# Allegro board LED_FIN.brd (continued)
## Nets (continued)
COL_OUT_C74: D10276.1(CATHODE) D10306.1(CATHODE) D10336.1(CATHODE) D10366.1(CATHODE) D10396.1(CATHODE) D10426.1(CATHODE) D10456.1(CATHODE) D10486.1(CATHODE) D10516.1(CATHODE) D10546.1(CATHODE) D10576.1(CATHODE) D10606.1(CATHODE) D10636.1(CATHODE) D10666.1(CATHODE) D10696.1(CATHODE) D10726.1(CATHODE) D10756.1(CATHODE) D10786.1(CATHODE) D10816.1(CATHODE) D10846.1(CATHODE) D10876.1(CATHODE) D10906.1(CATHODE) D10936.1(CATHODE) D10966.1(CATHODE) D10996.1(CATHODE) D11026.1(CATHODE) D11056.1(CATHODE) D11086.1(CATHODE) D11116.1(CATHODE) D11146.1(CATHODE) D11176.1(CATHODE) D11206.1(CATHODE) D11236.1(CATHODE) D11266.1(CATHODE) D11296.1(CATHODE) D11326.1(CATHODE) D11356.1(CATHODE) D11386.1(CATHODE) R286.1
COL_OUT_C75: D10275.1(CATHODE) D10305.1(CATHODE) D10335.1(CATHODE) D10365.1(CATHODE) D10395.1(CATHODE) D10425.1(CATHODE) D10455.1(CATHODE) D10485.1(CATHODE) D10515.1(CATHODE) D10545.1(CATHODE) D10575.1(CATHODE) D10605.1(CATHODE) D10635.1(CATHODE) D10665.1(CATHODE) D10695.1(CATHODE) D10725.1(CATHODE) D10755.1(CATHODE) D10785.1(CATHODE) D10815.1(CATHODE) D10845.1(CATHODE) D10875.1(CATHODE) D10905.1(CATHODE) D10935.1(CATHODE) D10965.1(CATHODE) D10995.1(CATHODE) D11025.1(CATHODE) D11055.1(CATHODE) D11085.1(CATHODE) D11115.1(CATHODE) D11145.1(CATHODE) D11175.1(CATHODE) D11205.1(CATHODE) D11235.1(CATHODE) D11265.1(CATHODE) D11295.1(CATHODE) D11325.1(CATHODE) D11355.1(CATHODE) D11385.1(CATHODE) R285.1
COL_OUT_C76: D10274.1(CATHODE) D10304.1(CATHODE) D10334.1(CATHODE) D10364.1(CATHODE) D10394.1(CATHODE) D10424.1(CATHODE) D10454.1(CATHODE) D10484.1(CATHODE) D10514.1(CATHODE) D10544.1(CATHODE) D10574.1(CATHODE) D10604.1(CATHODE) D10634.1(CATHODE) D10664.1(CATHODE) D10694.1(CATHODE) D10724.1(CATHODE) D10754.1(CATHODE) D10784.1(CATHODE) D10814.1(CATHODE) D10844.1(CATHODE) D10874.1(CATHODE) D10904.1(CATHODE) D10934.1(CATHODE) D10964.1(CATHODE) D10994.1(CATHODE) D11024.1(CATHODE) D11054.1(CATHODE) D11084.1(CATHODE) D11114.1(CATHODE) D11144.1(CATHODE) D11174.1(CATHODE) D11204.1(CATHODE) D11234.1(CATHODE) D11264.1(CATHODE) D11294.1(CATHODE) D11324.1(CATHODE) D11354.1(CATHODE) D11384.1(CATHODE) R284.1
COL_OUT_C77: D10273.1(CATHODE) D10303.1(CATHODE) D10333.1(CATHODE) D10363.1(CATHODE) D10393.1(CATHODE) D10423.1(CATHODE) D10453.1(CATHODE) D10483.1(CATHODE) D10513.1(CATHODE) D10543.1(CATHODE) D10573.1(CATHODE) D10603.1(CATHODE) D10633.1(CATHODE) D10663.1(CATHODE) D10693.1(CATHODE) D10723.1(CATHODE) D10753.1(CATHODE) D10783.1(CATHODE) D10813.1(CATHODE) D10843.1(CATHODE) D10873.1(CATHODE) D10903.1(CATHODE) D10933.1(CATHODE) D10963.1(CATHODE) D10993.1(CATHODE) D11023.1(CATHODE) D11053.1(CATHODE) D11083.1(CATHODE) D11113.1(CATHODE) D11143.1(CATHODE) D11173.1(CATHODE) D11203.1(CATHODE) D11233.1(CATHODE) D11263.1(CATHODE) D11293.1(CATHODE) D11323.1(CATHODE) D11353.1(CATHODE) D11383.1(CATHODE) R283.1
COL_OUT_C78: D10272.1(CATHODE) D10302.1(CATHODE) D10332.1(CATHODE) D10362.1(CATHODE) D10392.1(CATHODE) D10422.1(CATHODE) D10452.1(CATHODE) D10482.1(CATHODE) D10512.1(CATHODE) D10542.1(CATHODE) D10572.1(CATHODE) D10602.1(CATHODE) D10632.1(CATHODE) D10662.1(CATHODE) D10692.1(CATHODE) D10722.1(CATHODE) D10752.1(CATHODE) D10782.1(CATHODE) D10812.1(CATHODE) D10842.1(CATHODE) D10872.1(CATHODE) D10902.1(CATHODE) D10932.1(CATHODE) D10962.1(CATHODE) D10992.1(CATHODE) D11022.1(CATHODE) D11052.1(CATHODE) D11082.1(CATHODE) D11112.1(CATHODE) D11142.1(CATHODE) D11172.1(CATHODE) D11202.1(CATHODE) D11232.1(CATHODE) D11262.1(CATHODE) D11292.1(CATHODE) D11322.1(CATHODE) D11352.1(CATHODE) D11382.1(CATHODE) R282.1
COL_OUT_C79: D10271.1(CATHODE) D10301.1(CATHODE) D10331.1(CATHODE) D10361.1(CATHODE) D10391.1(CATHODE) D10421.1(CATHODE) D10451.1(CATHODE) D10481.1(CATHODE) D10511.1(CATHODE) D10541.1(CATHODE) D10571.1(CATHODE) D10601.1(CATHODE) D10631.1(CATHODE) D10661.1(CATHODE) D10691.1(CATHODE) D10721.1(CATHODE) D10751.1(CATHODE) D10781.1(CATHODE) D10811.1(CATHODE) D10841.1(CATHODE) D10871.1(CATHODE) D10901.1(CATHODE) D10931.1(CATHODE) D10961.1(CATHODE) D10991.1(CATHODE) D11021.1(CATHODE) D11051.1(CATHODE) D11081.1(CATHODE) D11111.1(CATHODE) D11141.1(CATHODE) D11171.1(CATHODE) D11201.1(CATHODE) D11231.1(CATHODE) D11261.1(CATHODE) D11291.1(CATHODE) D11321.1(CATHODE) D11351.1(CATHODE) D11381.1(CATHODE) R281.1
COL_OUT_C80: D10270.1(CATHODE) D10300.1(CATHODE) D10330.1(CATHODE) D10360.1(CATHODE) D10390.1(CATHODE) D10420.1(CATHODE) D10450.1(CATHODE) D10480.1(CATHODE) D10510.1(CATHODE) D10540.1(CATHODE) D10570.1(CATHODE) D10600.1(CATHODE) D10630.1(CATHODE) D10660.1(CATHODE) D10690.1(CATHODE) D10720.1(CATHODE) D10750.1(CATHODE) D10780.1(CATHODE) D10810.1(CATHODE) D10840.1(CATHODE) D10870.1(CATHODE) D10900.1(CATHODE) D10930.1(CATHODE) D10960.1(CATHODE) D10990.1(CATHODE) D11020.1(CATHODE) D11050.1(CATHODE) D11080.1(CATHODE) D11110.1(CATHODE) D11140.1(CATHODE) D11170.1(CATHODE) D11200.1(CATHODE) D11230.1(CATHODE) D11260.1(CATHODE) D11290.1(CATHODE) D11320.1(CATHODE) D11350.1(CATHODE) D11380.1(CATHODE) R280.1
COL_OUT_C81: D10269.1(CATHODE) D10299.1(CATHODE) D10329.1(CATHODE) D10359.1(CATHODE) D10389.1(CATHODE) D10419.1(CATHODE) D10449.1(CATHODE) D10479.1(CATHODE) D10509.1(CATHODE) D10539.1(CATHODE) D10569.1(CATHODE) D10599.1(CATHODE) D10629.1(CATHODE) D10659.1(CATHODE) D10689.1(CATHODE) D10719.1(CATHODE) D10749.1(CATHODE) D10779.1(CATHODE) D10809.1(CATHODE) D10839.1(CATHODE) D10869.1(CATHODE) D10899.1(CATHODE) D10929.1(CATHODE) D10959.1(CATHODE) D10989.1(CATHODE) D11019.1(CATHODE) D11049.1(CATHODE) D11079.1(CATHODE) D11109.1(CATHODE) D11139.1(CATHODE) D11169.1(CATHODE) D11199.1(CATHODE) D11229.1(CATHODE) D11259.1(CATHODE) D11289.1(CATHODE) D11319.1(CATHODE) D11349.1(CATHODE) D11379.1(CATHODE) R279.1
COL_OUT_C82: D10268.1(CATHODE) D10298.1(CATHODE) D10328.1(CATHODE) D10358.1(CATHODE) D10388.1(CATHODE) D10418.1(CATHODE) D10448.1(CATHODE) D10478.1(CATHODE) D10508.1(CATHODE) D10538.1(CATHODE) D10568.1(CATHODE) D10598.1(CATHODE) D10628.1(CATHODE) D10658.1(CATHODE) D10688.1(CATHODE) D10718.1(CATHODE) D10748.1(CATHODE) D10778.1(CATHODE) D10808.1(CATHODE) D10838.1(CATHODE) D10868.1(CATHODE) D10898.1(CATHODE) D10928.1(CATHODE) D10958.1(CATHODE) D10988.1(CATHODE) D11018.1(CATHODE) D11048.1(CATHODE) D11078.1(CATHODE) D11108.1(CATHODE) D11138.1(CATHODE) D11168.1(CATHODE) D11198.1(CATHODE) D11228.1(CATHODE) D11258.1(CATHODE) D11288.1(CATHODE) D11318.1(CATHODE) D11348.1(CATHODE) D11378.1(CATHODE) R278.1
COL_OUT_C83: D10267.1(CATHODE) D10297.1(CATHODE) D10327.1(CATHODE) D10357.1(CATHODE) D10387.1(CATHODE) D10417.1(CATHODE) D10447.1(CATHODE) D10477.1(CATHODE) D10507.1(CATHODE) D10537.1(CATHODE) D10567.1(CATHODE) D10597.1(CATHODE) D10627.1(CATHODE) D10657.1(CATHODE) D10687.1(CATHODE) D10717.1(CATHODE) D10747.1(CATHODE) D10777.1(CATHODE) D10807.1(CATHODE) D10837.1(CATHODE) D10867.1(CATHODE) D10897.1(CATHODE) D10927.1(CATHODE) D10957.1(CATHODE) D10987.1(CATHODE) D11017.1(CATHODE) D11047.1(CATHODE) D11077.1(CATHODE) D11107.1(CATHODE) D11137.1(CATHODE) D11167.1(CATHODE) D11197.1(CATHODE) D11227.1(CATHODE) D11257.1(CATHODE) D11287.1(CATHODE) D11317.1(CATHODE) D11347.1(CATHODE) D11377.1(CATHODE) R277.1
COL_OUT_C84: D10266.1(CATHODE) D10296.1(CATHODE) D10326.1(CATHODE) D10356.1(CATHODE) D10386.1(CATHODE) D10416.1(CATHODE) D10446.1(CATHODE) D10476.1(CATHODE) D10506.1(CATHODE) D10536.1(CATHODE) D10566.1(CATHODE) D10596.1(CATHODE) D10626.1(CATHODE) D10656.1(CATHODE) D10686.1(CATHODE) D10716.1(CATHODE) D10746.1(CATHODE) D10776.1(CATHODE) D10806.1(CATHODE) D10836.1(CATHODE) D10866.1(CATHODE) D10896.1(CATHODE) D10926.1(CATHODE) D10956.1(CATHODE) D10986.1(CATHODE) D11016.1(CATHODE) D11046.1(CATHODE) D11076.1(CATHODE) D11106.1(CATHODE) D11136.1(CATHODE) D11166.1(CATHODE) D11196.1(CATHODE) D11226.1(CATHODE) D11256.1(CATHODE) D11286.1(CATHODE) D11316.1(CATHODE) D11346.1(CATHODE) D11376.1(CATHODE) R276.1
COL_OUT_C85: D10265.1(CATHODE) D10295.1(CATHODE) D10325.1(CATHODE) D10355.1(CATHODE) D10385.1(CATHODE) D10415.1(CATHODE) D10445.1(CATHODE) D10475.1(CATHODE) D10505.1(CATHODE) D10535.1(CATHODE) D10565.1(CATHODE) D10595.1(CATHODE) D10625.1(CATHODE) D10655.1(CATHODE) D10685.1(CATHODE) D10715.1(CATHODE) D10745.1(CATHODE) D10775.1(CATHODE) D10805.1(CATHODE) D10835.1(CATHODE) D10865.1(CATHODE) D10895.1(CATHODE) D10925.1(CATHODE) D10955.1(CATHODE) D10985.1(CATHODE) D11015.1(CATHODE) D11045.1(CATHODE) D11075.1(CATHODE) D11105.1(CATHODE) D11135.1(CATHODE) D11165.1(CATHODE) D11195.1(CATHODE) D11225.1(CATHODE) D11255.1(CATHODE) D11285.1(CATHODE) D11315.1(CATHODE) D11345.1(CATHODE) D11375.1(CATHODE) R275.1
COL_OUT_C86: D10264.1(CATHODE) D10294.1(CATHODE) D10324.1(CATHODE) D10354.1(CATHODE) D10384.1(CATHODE) D10414.1(CATHODE) D10444.1(CATHODE) D10474.1(CATHODE) D10504.1(CATHODE) D10534.1(CATHODE) D10564.1(CATHODE) D10594.1(CATHODE) D10624.1(CATHODE) D10654.1(CATHODE) D10684.1(CATHODE) D10714.1(CATHODE) D10744.1(CATHODE) D10774.1(CATHODE) D10804.1(CATHODE) D10834.1(CATHODE) D10864.1(CATHODE) D10894.1(CATHODE) D10924.1(CATHODE) D10954.1(CATHODE) D10984.1(CATHODE) D11014.1(CATHODE) D11044.1(CATHODE) D11074.1(CATHODE) D11104.1(CATHODE) D11134.1(CATHODE) D11164.1(CATHODE) D11194.1(CATHODE) D11224.1(CATHODE) D11254.1(CATHODE) D11284.1(CATHODE) D11314.1(CATHODE) D11344.1(CATHODE) D11374.1(CATHODE) R274.1
COL_OUT_C87: D10263.1(CATHODE) D10293.1(CATHODE) D10323.1(CATHODE) D10353.1(CATHODE) D10383.1(CATHODE) D10413.1(CATHODE) D10443.1(CATHODE) D10473.1(CATHODE) D10503.1(CATHODE) D10533.1(CATHODE) D10563.1(CATHODE) D10593.1(CATHODE) D10623.1(CATHODE) D10653.1(CATHODE) D10683.1(CATHODE) D10713.1(CATHODE) D10743.1(CATHODE) D10773.1(CATHODE) D10803.1(CATHODE) D10833.1(CATHODE) D10863.1(CATHODE) D10893.1(CATHODE) D10923.1(CATHODE) D10953.1(CATHODE) D10983.1(CATHODE) D11013.1(CATHODE) D11043.1(CATHODE) D11073.1(CATHODE) D11103.1(CATHODE) D11133.1(CATHODE) D11163.1(CATHODE) D11193.1(CATHODE) D11223.1(CATHODE) D11253.1(CATHODE) D11283.1(CATHODE) D11313.1(CATHODE) D11343.1(CATHODE) D11373.1(CATHODE) R273.1
COL_OUT_C88: D10262.1(CATHODE) D10292.1(CATHODE) D10322.1(CATHODE) D10352.1(CATHODE) D10382.1(CATHODE) D10412.1(CATHODE) D10442.1(CATHODE) D10472.1(CATHODE) D10502.1(CATHODE) D10532.1(CATHODE) D10562.1(CATHODE) D10592.1(CATHODE) D10622.1(CATHODE) D10652.1(CATHODE) D10682.1(CATHODE) D10712.1(CATHODE) D10742.1(CATHODE) D10772.1(CATHODE) D10802.1(CATHODE) D10832.1(CATHODE) D10862.1(CATHODE) D10892.1(CATHODE) D10922.1(CATHODE) D10952.1(CATHODE) D10982.1(CATHODE) D11012.1(CATHODE) D11042.1(CATHODE) D11072.1(CATHODE) D11102.1(CATHODE) D11132.1(CATHODE) D11162.1(CATHODE) D11192.1(CATHODE) D11222.1(CATHODE) D11252.1(CATHODE) D11282.1(CATHODE) D11312.1(CATHODE) D11342.1(CATHODE) D11372.1(CATHODE) R272.1
COL_OUT_C89: D10261.1(CATHODE) D10291.1(CATHODE) D10321.1(CATHODE) D10351.1(CATHODE) D10381.1(CATHODE) D10411.1(CATHODE) D10441.1(CATHODE) D10471.1(CATHODE) D10501.1(CATHODE) D10531.1(CATHODE) D10561.1(CATHODE) D10591.1(CATHODE) D10621.1(CATHODE) D10651.1(CATHODE) D10681.1(CATHODE) D10711.1(CATHODE) D10741.1(CATHODE) D10771.1(CATHODE) D10801.1(CATHODE) D10831.1(CATHODE) D10861.1(CATHODE) D10891.1(CATHODE) D10921.1(CATHODE) D10951.1(CATHODE) D10981.1(CATHODE) D11011.1(CATHODE) D11041.1(CATHODE) D11071.1(CATHODE) D11101.1(CATHODE) D11131.1(CATHODE) D11161.1(CATHODE) D11191.1(CATHODE) D11221.1(CATHODE) D11251.1(CATHODE) D11281.1(CATHODE) D11311.1(CATHODE) D11341.1(CATHODE) D11371.1(CATHODE) R271.1
COL_OUT_C90: D9150.1(CATHODE) D9180.1(CATHODE) D9210.1(CATHODE) D9240.1(CATHODE) D9270.1(CATHODE) D9300.1(CATHODE) D9330.1(CATHODE) D9360.1(CATHODE) D9390.1(CATHODE) D9420.1(CATHODE) D9450.1(CATHODE) D9480.1(CATHODE) D9510.1(CATHODE) D9540.1(CATHODE) D9570.1(CATHODE) D9600.1(CATHODE) D9630.1(CATHODE) D9660.1(CATHODE) D9690.1(CATHODE) D9720.1(CATHODE) D9750.1(CATHODE) D9780.1(CATHODE) D9810.1(CATHODE) D9840.1(CATHODE) D9870.1(CATHODE) D9900.1(CATHODE) D9930.1(CATHODE) D9960.1(CATHODE) D9990.1(CATHODE) D10020.1(CATHODE) D10050.1(CATHODE) D10080.1(CATHODE) D10110.1(CATHODE) D10140.1(CATHODE) D10170.1(CATHODE) D10200.1(CATHODE) D10230.1(CATHODE) D10260.1(CATHODE) R270.1
COL_OUT_C91: D9149.1(CATHODE) D9179.1(CATHODE) D9209.1(CATHODE) D9239.1(CATHODE) D9269.1(CATHODE) D9299.1(CATHODE) D9329.1(CATHODE) D9359.1(CATHODE) D9389.1(CATHODE) D9419.1(CATHODE) D9449.1(CATHODE) D9479.1(CATHODE) D9509.1(CATHODE) D9539.1(CATHODE) D9569.1(CATHODE) D9599.1(CATHODE) D9629.1(CATHODE) D9659.1(CATHODE) D9689.1(CATHODE) D9719.1(CATHODE) D9749.1(CATHODE) D9779.1(CATHODE) D9809.1(CATHODE) D9839.1(CATHODE) D9869.1(CATHODE) D9899.1(CATHODE) D9929.1(CATHODE) D9959.1(CATHODE) D9989.1(CATHODE) D10019.1(CATHODE) D10049.1(CATHODE) D10079.1(CATHODE) D10109.1(CATHODE) D10139.1(CATHODE) D10169.1(CATHODE) D10199.1(CATHODE) D10229.1(CATHODE) D10259.1(CATHODE) R269.1
COL_OUT_C92: D9148.1(CATHODE) D9178.1(CATHODE) D9208.1(CATHODE) D9238.1(CATHODE) D9268.1(CATHODE) D9298.1(CATHODE) D9328.1(CATHODE) D9358.1(CATHODE) D9388.1(CATHODE) D9418.1(CATHODE) D9448.1(CATHODE) D9478.1(CATHODE) D9508.1(CATHODE) D9538.1(CATHODE) D9568.1(CATHODE) D9598.1(CATHODE) D9628.1(CATHODE) D9658.1(CATHODE) D9688.1(CATHODE) D9718.1(CATHODE) D9748.1(CATHODE) D9778.1(CATHODE) D9808.1(CATHODE) D9838.1(CATHODE) D9868.1(CATHODE) D9898.1(CATHODE) D9928.1(CATHODE) D9958.1(CATHODE) D9988.1(CATHODE) D10018.1(CATHODE) D10048.1(CATHODE) D10078.1(CATHODE) D10108.1(CATHODE) D10138.1(CATHODE) D10168.1(CATHODE) D10198.1(CATHODE) D10228.1(CATHODE) D10258.1(CATHODE) R268.1
COL_OUT_C93: D9147.1(CATHODE) D9177.1(CATHODE) D9207.1(CATHODE) D9237.1(CATHODE) D9267.1(CATHODE) D9297.1(CATHODE) D9327.1(CATHODE) D9357.1(CATHODE) D9387.1(CATHODE) D9417.1(CATHODE) D9447.1(CATHODE) D9477.1(CATHODE) D9507.1(CATHODE) D9537.1(CATHODE) D9567.1(CATHODE) D9597.1(CATHODE) D9627.1(CATHODE) D9657.1(CATHODE) D9687.1(CATHODE) D9717.1(CATHODE) D9747.1(CATHODE) D9777.1(CATHODE) D9807.1(CATHODE) D9837.1(CATHODE) D9867.1(CATHODE) D9897.1(CATHODE) D9927.1(CATHODE) D9957.1(CATHODE) D9987.1(CATHODE) D10017.1(CATHODE) D10047.1(CATHODE) D10077.1(CATHODE) D10107.1(CATHODE) D10137.1(CATHODE) D10167.1(CATHODE) D10197.1(CATHODE) D10227.1(CATHODE) D10257.1(CATHODE) R267.1
COL_OUT_C94: D9146.1(CATHODE) D9176.1(CATHODE) D9206.1(CATHODE) D9236.1(CATHODE) D9266.1(CATHODE) D9296.1(CATHODE) D9326.1(CATHODE) D9356.1(CATHODE) D9386.1(CATHODE) D9416.1(CATHODE) D9446.1(CATHODE) D9476.1(CATHODE) D9506.1(CATHODE) D9536.1(CATHODE) D9566.1(CATHODE) D9596.1(CATHODE) D9626.1(CATHODE) D9656.1(CATHODE) D9686.1(CATHODE) D9716.1(CATHODE) D9746.1(CATHODE) D9776.1(CATHODE) D9806.1(CATHODE) D9836.1(CATHODE) D9866.1(CATHODE) D9896.1(CATHODE) D9926.1(CATHODE) D9956.1(CATHODE) D9986.1(CATHODE) D10016.1(CATHODE) D10046.1(CATHODE) D10076.1(CATHODE) D10106.1(CATHODE) D10136.1(CATHODE) D10166.1(CATHODE) D10196.1(CATHODE) D10226.1(CATHODE) D10256.1(CATHODE) R266.1
COL_OUT_C95: D9145.1(CATHODE) D9175.1(CATHODE) D9205.1(CATHODE) D9235.1(CATHODE) D9265.1(CATHODE) D9295.1(CATHODE) D9325.1(CATHODE) D9355.1(CATHODE) D9385.1(CATHODE) D9415.1(CATHODE) D9445.1(CATHODE) D9475.1(CATHODE) D9505.1(CATHODE) D9535.1(CATHODE) D9565.1(CATHODE) D9595.1(CATHODE) D9625.1(CATHODE) D9655.1(CATHODE) D9685.1(CATHODE) D9715.1(CATHODE) D9745.1(CATHODE) D9775.1(CATHODE) D9805.1(CATHODE) D9835.1(CATHODE) D9865.1(CATHODE) D9895.1(CATHODE) D9925.1(CATHODE) D9955.1(CATHODE) D9985.1(CATHODE) D10015.1(CATHODE) D10045.1(CATHODE) D10075.1(CATHODE) D10105.1(CATHODE) D10135.1(CATHODE) D10165.1(CATHODE) D10195.1(CATHODE) D10225.1(CATHODE) D10255.1(CATHODE) R265.1
COL_OUT_C96: D9144.1(CATHODE) D9174.1(CATHODE) D9204.1(CATHODE) D9234.1(CATHODE) D9264.1(CATHODE) D9294.1(CATHODE) D9324.1(CATHODE) D9354.1(CATHODE) D9384.1(CATHODE) D9414.1(CATHODE) D9444.1(CATHODE) D9474.1(CATHODE) D9504.1(CATHODE) D9534.1(CATHODE) D9564.1(CATHODE) D9594.1(CATHODE) D9624.1(CATHODE) D9654.1(CATHODE) D9684.1(CATHODE) D9714.1(CATHODE) D9744.1(CATHODE) D9774.1(CATHODE) D9804.1(CATHODE) D9834.1(CATHODE) D9864.1(CATHODE) D9894.1(CATHODE) D9924.1(CATHODE) D9954.1(CATHODE) D9984.1(CATHODE) D10014.1(CATHODE) D10044.1(CATHODE) D10074.1(CATHODE) D10104.1(CATHODE) D10134.1(CATHODE) D10164.1(CATHODE) D10194.1(CATHODE) D10224.1(CATHODE) D10254.1(CATHODE) R264.1
COL_OUT_C97: D9143.1(CATHODE) D9173.1(CATHODE) D9203.1(CATHODE) D9233.1(CATHODE) D9263.1(CATHODE) D9293.1(CATHODE) D9323.1(CATHODE) D9353.1(CATHODE) D9383.1(CATHODE) D9413.1(CATHODE) D9443.1(CATHODE) D9473.1(CATHODE) D9503.1(CATHODE) D9533.1(CATHODE) D9563.1(CATHODE) D9593.1(CATHODE) D9623.1(CATHODE) D9653.1(CATHODE) D9683.1(CATHODE) D9713.1(CATHODE) D9743.1(CATHODE) D9773.1(CATHODE) D9803.1(CATHODE) D9833.1(CATHODE) D9863.1(CATHODE) D9893.1(CATHODE) D9923.1(CATHODE) D9953.1(CATHODE) D9983.1(CATHODE) D10013.1(CATHODE) D10043.1(CATHODE) D10073.1(CATHODE) D10103.1(CATHODE) D10133.1(CATHODE) D10163.1(CATHODE) D10193.1(CATHODE) D10223.1(CATHODE) D10253.1(CATHODE) R263.1
COL_OUT_C98: D9142.1(CATHODE) D9172.1(CATHODE) D9202.1(CATHODE) D9232.1(CATHODE) D9262.1(CATHODE) D9292.1(CATHODE) D9322.1(CATHODE) D9352.1(CATHODE) D9382.1(CATHODE) D9412.1(CATHODE) D9442.1(CATHODE) D9472.1(CATHODE) D9502.1(CATHODE) D9532.1(CATHODE) D9562.1(CATHODE) D9592.1(CATHODE) D9622.1(CATHODE) D9652.1(CATHODE) D9682.1(CATHODE) D9712.1(CATHODE) D9742.1(CATHODE) D9772.1(CATHODE) D9802.1(CATHODE) D9832.1(CATHODE) D9862.1(CATHODE) D9892.1(CATHODE) D9922.1(CATHODE) D9952.1(CATHODE) D9982.1(CATHODE) D10012.1(CATHODE) D10042.1(CATHODE) D10072.1(CATHODE) D10102.1(CATHODE) D10132.1(CATHODE) D10162.1(CATHODE) D10192.1(CATHODE) D10222.1(CATHODE) D10252.1(CATHODE) R262.1
COL_OUT_C99: D9141.1(CATHODE) D9171.1(CATHODE) D9201.1(CATHODE) D9231.1(CATHODE) D9261.1(CATHODE) D9291.1(CATHODE) D9321.1(CATHODE) D9351.1(CATHODE) D9381.1(CATHODE) D9411.1(CATHODE) D9441.1(CATHODE) D9471.1(CATHODE) D9501.1(CATHODE) D9531.1(CATHODE) D9561.1(CATHODE) D9591.1(CATHODE) D9621.1(CATHODE) D9651.1(CATHODE) D9681.1(CATHODE) D9711.1(CATHODE) D9741.1(CATHODE) D9771.1(CATHODE) D9801.1(CATHODE) D9831.1(CATHODE) D9861.1(CATHODE) D9891.1(CATHODE) D9921.1(CATHODE) D9951.1(CATHODE) D9981.1(CATHODE) D10011.1(CATHODE) D10041.1(CATHODE) D10071.1(CATHODE) D10101.1(CATHODE) D10131.1(CATHODE) D10161.1(CATHODE) D10191.1(CATHODE) D10221.1(CATHODE) D10251.1(CATHODE) R261.1
COL_OUT_C100: D9140.1(CATHODE) D9170.1(CATHODE) D9200.1(CATHODE) D9230.1(CATHODE) D9260.1(CATHODE) D9290.1(CATHODE) D9320.1(CATHODE) D9350.1(CATHODE) D9380.1(CATHODE) D9410.1(CATHODE) D9440.1(CATHODE) D9470.1(CATHODE) D9500.1(CATHODE) D9530.1(CATHODE) D9560.1(CATHODE) D9590.1(CATHODE) D9620.1(CATHODE) D9650.1(CATHODE) D9680.1(CATHODE) D9710.1(CATHODE) D9740.1(CATHODE) D9770.1(CATHODE) D9800.1(CATHODE) D9830.1(CATHODE) D9860.1(CATHODE) D9890.1(CATHODE) D9920.1(CATHODE) D9950.1(CATHODE) D9980.1(CATHODE) D10010.1(CATHODE) D10040.1(CATHODE) D10070.1(CATHODE) D10100.1(CATHODE) D10130.1(CATHODE) D10160.1(CATHODE) D10190.1(CATHODE) D10220.1(CATHODE) D10250.1(CATHODE) R260.1
COL_OUT_C101: D9139.1(CATHODE) D9169.1(CATHODE) D9199.1(CATHODE) D9229.1(CATHODE) D9259.1(CATHODE) D9289.1(CATHODE) D9319.1(CATHODE) D9349.1(CATHODE) D9379.1(CATHODE) D9409.1(CATHODE) D9439.1(CATHODE) D9469.1(CATHODE) D9499.1(CATHODE) D9529.1(CATHODE) D9559.1(CATHODE) D9589.1(CATHODE) D9619.1(CATHODE) D9649.1(CATHODE) D9679.1(CATHODE) D9709.1(CATHODE) D9739.1(CATHODE) D9769.1(CATHODE) D9799.1(CATHODE) D9829.1(CATHODE) D9859.1(CATHODE) D9889.1(CATHODE) D9919.1(CATHODE) D9949.1(CATHODE) D9979.1(CATHODE) D10009.1(CATHODE) D10039.1(CATHODE) D10069.1(CATHODE) D10099.1(CATHODE) D10129.1(CATHODE) D10159.1(CATHODE) D10189.1(CATHODE) D10219.1(CATHODE) D10249.1(CATHODE) R259.1
COL_OUT_C102: D9138.1(CATHODE) D9168.1(CATHODE) D9198.1(CATHODE) D9228.1(CATHODE) D9258.1(CATHODE) D9288.1(CATHODE) D9318.1(CATHODE) D9348.1(CATHODE) D9378.1(CATHODE) D9408.1(CATHODE) D9438.1(CATHODE) D9468.1(CATHODE) D9498.1(CATHODE) D9528.1(CATHODE) D9558.1(CATHODE) D9588.1(CATHODE) D9618.1(CATHODE) D9648.1(CATHODE) D9678.1(CATHODE) D9708.1(CATHODE) D9738.1(CATHODE) D9768.1(CATHODE) D9798.1(CATHODE) D9828.1(CATHODE) D9858.1(CATHODE) D9888.1(CATHODE) D9918.1(CATHODE) D9948.1(CATHODE) D9978.1(CATHODE) D10008.1(CATHODE) D10038.1(CATHODE) D10068.1(CATHODE) D10098.1(CATHODE) D10128.1(CATHODE) D10158.1(CATHODE) D10188.1(CATHODE) D10218.1(CATHODE) D10248.1(CATHODE) R258.1
COL_OUT_C103: D9137.1(CATHODE) D9167.1(CATHODE) D9197.1(CATHODE) D9227.1(CATHODE) D9257.1(CATHODE) D9287.1(CATHODE) D9317.1(CATHODE) D9347.1(CATHODE) D9377.1(CATHODE) D9407.1(CATHODE) D9437.1(CATHODE) D9467.1(CATHODE) D9497.1(CATHODE) D9527.1(CATHODE) D9557.1(CATHODE) D9587.1(CATHODE) D9617.1(CATHODE) D9647.1(CATHODE) D9677.1(CATHODE) D9707.1(CATHODE) D9737.1(CATHODE) D9767.1(CATHODE) D9797.1(CATHODE) D9827.1(CATHODE) D9857.1(CATHODE) D9887.1(CATHODE) D9917.1(CATHODE) D9947.1(CATHODE) D9977.1(CATHODE) D10007.1(CATHODE) D10037.1(CATHODE) D10067.1(CATHODE) D10097.1(CATHODE) D10127.1(CATHODE) D10157.1(CATHODE) D10187.1(CATHODE) D10217.1(CATHODE) D10247.1(CATHODE) R257.1
COL_OUT_C104: D9136.1(CATHODE) D9166.1(CATHODE) D9196.1(CATHODE) D9226.1(CATHODE) D9256.1(CATHODE) D9286.1(CATHODE) D9316.1(CATHODE) D9346.1(CATHODE) D9376.1(CATHODE) D9406.1(CATHODE) D9436.1(CATHODE) D9466.1(CATHODE) D9496.1(CATHODE) D9526.1(CATHODE) D9556.1(CATHODE) D9586.1(CATHODE) D9616.1(CATHODE) D9646.1(CATHODE) D9676.1(CATHODE) D9706.1(CATHODE) D9736.1(CATHODE) D9766.1(CATHODE) D9796.1(CATHODE) D9826.1(CATHODE) D9856.1(CATHODE) D9886.1(CATHODE) D9916.1(CATHODE) D9946.1(CATHODE) D9976.1(CATHODE) D10006.1(CATHODE) D10036.1(CATHODE) D10066.1(CATHODE) D10096.1(CATHODE) D10126.1(CATHODE) D10156.1(CATHODE) D10186.1(CATHODE) D10216.1(CATHODE) D10246.1(CATHODE) R256.1
COL_OUT_C105: D9135.1(CATHODE) D9165.1(CATHODE) D9195.1(CATHODE) D9225.1(CATHODE) D9255.1(CATHODE) D9285.1(CATHODE) D9315.1(CATHODE) D9345.1(CATHODE) D9375.1(CATHODE) D9405.1(CATHODE) D9435.1(CATHODE) D9465.1(CATHODE) D9495.1(CATHODE) D9525.1(CATHODE) D9555.1(CATHODE) D9585.1(CATHODE) D9615.1(CATHODE) D9645.1(CATHODE) D9675.1(CATHODE) D9705.1(CATHODE) D9735.1(CATHODE) D9765.1(CATHODE) D9795.1(CATHODE) D9825.1(CATHODE) D9855.1(CATHODE) D9885.1(CATHODE) D9915.1(CATHODE) D9945.1(CATHODE) D9975.1(CATHODE) D10005.1(CATHODE) D10035.1(CATHODE) D10065.1(CATHODE) D10095.1(CATHODE) D10125.1(CATHODE) D10155.1(CATHODE) D10185.1(CATHODE) D10215.1(CATHODE) D10245.1(CATHODE) R255.1
COL_OUT_C106: D9134.1(CATHODE) D9164.1(CATHODE) D9194.1(CATHODE) D9224.1(CATHODE) D9254.1(CATHODE) D9284.1(CATHODE) D9314.1(CATHODE) D9344.1(CATHODE) D9374.1(CATHODE) D9404.1(CATHODE) D9434.1(CATHODE) D9464.1(CATHODE) D9494.1(CATHODE) D9524.1(CATHODE) D9554.1(CATHODE) D9584.1(CATHODE) D9614.1(CATHODE) D9644.1(CATHODE) D9674.1(CATHODE) D9704.1(CATHODE) D9734.1(CATHODE) D9764.1(CATHODE) D9794.1(CATHODE) D9824.1(CATHODE) D9854.1(CATHODE) D9884.1(CATHODE) D9914.1(CATHODE) D9944.1(CATHODE) D9974.1(CATHODE) D10004.1(CATHODE) D10034.1(CATHODE) D10064.1(CATHODE) D10094.1(CATHODE) D10124.1(CATHODE) D10154.1(CATHODE) D10184.1(CATHODE) D10214.1(CATHODE) D10244.1(CATHODE) R254.1
COL_OUT_C107: D9133.1(CATHODE) D9163.1(CATHODE) D9193.1(CATHODE) D9223.1(CATHODE) D9253.1(CATHODE) D9283.1(CATHODE) D9313.1(CATHODE) D9343.1(CATHODE) D9373.1(CATHODE) D9403.1(CATHODE) D9433.1(CATHODE) D9463.1(CATHODE) D9493.1(CATHODE) D9523.1(CATHODE) D9553.1(CATHODE) D9583.1(CATHODE) D9613.1(CATHODE) D9643.1(CATHODE) D9673.1(CATHODE) D9703.1(CATHODE) D9733.1(CATHODE) D9763.1(CATHODE) D9793.1(CATHODE) D9823.1(CATHODE) D9853.1(CATHODE) D9883.1(CATHODE) D9913.1(CATHODE) D9943.1(CATHODE) D9973.1(CATHODE) D10003.1(CATHODE) D10033.1(CATHODE) D10063.1(CATHODE) D10093.1(CATHODE) D10123.1(CATHODE) D10153.1(CATHODE) D10183.1(CATHODE) D10213.1(CATHODE) D10243.1(CATHODE) R253.1
COL_OUT_C108: D9132.1(CATHODE) D9162.1(CATHODE) D9192.1(CATHODE) D9222.1(CATHODE) D9252.1(CATHODE) D9282.1(CATHODE) D9312.1(CATHODE) D9342.1(CATHODE) D9372.1(CATHODE) D9402.1(CATHODE) D9432.1(CATHODE) D9462.1(CATHODE) D9492.1(CATHODE) D9522.1(CATHODE) D9552.1(CATHODE) D9582.1(CATHODE) D9612.1(CATHODE) D9642.1(CATHODE) D9672.1(CATHODE) D9702.1(CATHODE) D9732.1(CATHODE) D9762.1(CATHODE) D9792.1(CATHODE) D9822.1(CATHODE) D9852.1(CATHODE) D9882.1(CATHODE) D9912.1(CATHODE) D9942.1(CATHODE) D9972.1(CATHODE) D10002.1(CATHODE) D10032.1(CATHODE) D10062.1(CATHODE) D10092.1(CATHODE) D10122.1(CATHODE) D10152.1(CATHODE) D10182.1(CATHODE) D10212.1(CATHODE) D10242.1(CATHODE) R252.1
COL_OUT_C109: D9131.1(CATHODE) D9161.1(CATHODE) D9191.1(CATHODE) D9221.1(CATHODE) D9251.1(CATHODE) D9281.1(CATHODE) D9311.1(CATHODE) D9341.1(CATHODE) D9371.1(CATHODE) D9401.1(CATHODE) D9431.1(CATHODE) D9461.1(CATHODE) D9491.1(CATHODE) D9521.1(CATHODE) D9551.1(CATHODE) D9581.1(CATHODE) D9611.1(CATHODE) D9641.1(CATHODE) D9671.1(CATHODE) D9701.1(CATHODE) D9731.1(CATHODE) D9761.1(CATHODE) D9791.1(CATHODE) D9821.1(CATHODE) D9851.1(CATHODE) D9881.1(CATHODE) D9911.1(CATHODE) D9941.1(CATHODE) D9971.1(CATHODE) D10001.1(CATHODE) D10031.1(CATHODE) D10061.1(CATHODE) D10091.1(CATHODE) D10121.1(CATHODE) D10151.1(CATHODE) D10181.1(CATHODE) D10211.1(CATHODE) D10241.1(CATHODE) R251.1